# Altium PCB JacdacRp2040BrainEc30 124.PcbDoc (part 2 of 2)
Units mm, origin at the board's own origin, x right, y up, seen from the top; angles counter-clockwise.
Board outline 36.5 x 25 mm, 2 copper layers (Top Layer, Bottom Layer), stack 1.525 mm thick; 82 components, 68 nets, 347 pads, 97 vias.
Unrouted connection lines stored in the file: 41.
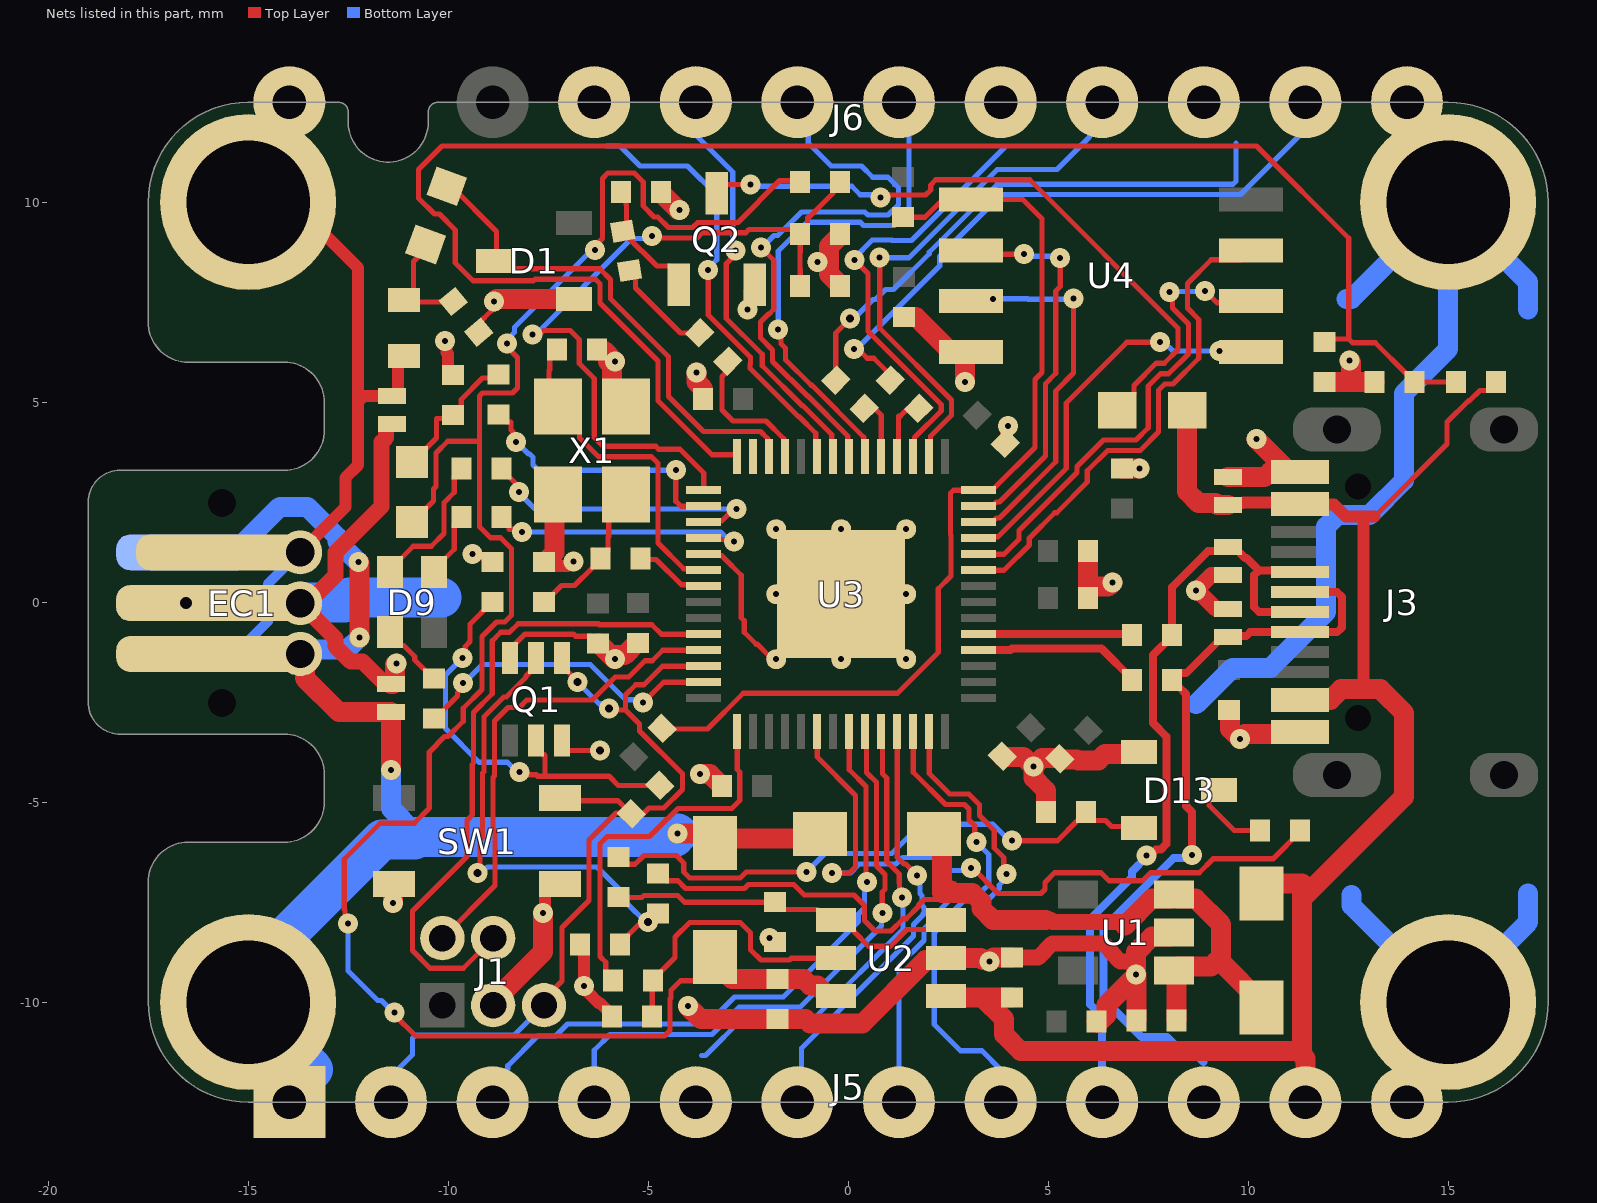
[diagram p2: the nets of this part, all layers, seen from the top]

## Via types
v1: diameter 0.5, hole 0.15, Top Layer to Bottom Layer, tented both sides, 89 vias
v2: diameter 0.5, hole 0.2, Top Layer to Bottom Layer, tented both sides, 7 vias
v3: diameter 0.6, hole 0.3, Top Layer to Bottom Layer, tented both sides, 1 vias

## Nets (pads, with @x,y where several pads share a name; then routed paths per layer and width w, separated by ;. In a path a pad name is that pad's centre, name@x,y a point inside that pad or via, vN(x,y) a via of type N, cw(c..) or ccw(c..) an arc to the next point about the centre after c; other vN are vias at no path point) (continued)
GND: C1.1 C2.1 C3.1 C4.1 C5.1 C6.1 C7.1 C8.1 C9.1 C10.1 C11.1 C12.1 C13.1 C14.1 C15.1 C19.1 C20.2 C21.2 C22.1 C23.1 C24.1 C27.1 D1.1 D2.2 D3.2 D4.2 D5.2 D6.2 D13.1 EC1.2 J1.3 J3.A1 J3.A12 J3.B1 J3.B12 J5.23 J6.24 MH2.1 MH4.1 Q1.3 Q1.6 Q2.2 R6.1 R14.2 R15.2 R17.2 R22.1 R23.1 R27.1 R30.2 SW1.3 SW1.4 U1.2 U2.2 U3.19 U3.57 U4.4 X1.2 X1.4 | length 112.1
  Top Layer w0.13: C1.1@-9.232,6.752 -9.232,6.979 -8.926,7.285 -8.926,7.344 -8.855,7.414 v1(-8.855,7.514) ; Q1.6@-8.45,-1.393 -8.315,-1.258 -8.315,-1.033 -8.081,-0.798 -6.869,-0.798 -6.815,-0.853 -6.435,-0.853 C8.1@-6.25,-1.038 ; Q1.3@-7.15,-3.453 -7.15,-3.567 -7.007,-3.71 v2(-6.212,-3.71) ; U3.19@-3.612,1.2 -3.577,1.165 -3.164,1.165 -3.094,1.095 -2.675,0.676 -2.675,-0.387 -2.6,-0.462 -2.6,-0.751 -2.298,-1.053 -2.271,-1.053 -1.898,-1.425 U3.57@-1.8,-1.425
  Top Layer w0.2: v1(-9.396,1.2) -9.339,1.143 -9.166,1.143 -9.165,1.141 -9.04,1.141 C24.1@-8.89,0.991
  Top Layer w0.3: v1(-10.084,6.537) -10.046,6.498 -10.046,6.241 -10.009,6.204 -10.009,5.775 -9.909,5.675 R17.2@-9.884,5.675 ; v1(-7.626,-7.775) -7.626,-7.721 -7.575,-7.67 -7.575,-7.226 -7.4,-7.051 SW1.4@-7.2,-7.051 ; C21.2@-7.605,1.005 -7.505,0.905 -7.186,0.905 -7.18,0.899 -7.012,0.899 -6.894,1.017 v1(-6.869,1.017) ; C27.1@-6.708,-8.556 -6.608,-8.656 -6.608,-8.892 -6.6,-8.9 v1(-6.6,-9.6) ; -6.244,-10.016 -6.212,-10.016 -5.9,-10.328 R6.1@-5.9,-10.353 ; -6.213,-10.016 -6.245,-10.016 -6.409,-9.852 ; v1(-2.514,7.314) -2.514,7.368 -2.466,7.417 -2.466,7.808 Q2.2@-2.336,7.937 ; v1(-1.971,-8.39) -1.861,-8.5 C5.1@-1.827,-8.5 ; C12.1@3.929,3.971 3.947,3.989 3.947,4.293 4,4.346 v1(4,4.4) ; v1(-6.6,-9.6) -6.6,-9.654 v1@-6.562,-9.692 ; v1(-6.6,-9.6) -6.562,-9.638 v1@-6.562,-9.692 ; v1@-6.562,-9.692 -6.562,-9.698 -6.409,-9.852 ; v1@-6.562,-9.692 -6.409,-9.846 -6.409,-9.852
  Top Layer w0.4: D3.2@-11.425,-2.05 -11.575,-2.05 -12.141,-1.484 -12.436,-1.484 -12.82,-1.1 -12.82,-0.903 EC1.2@-13.7,-0.023 -13.511,-0.023 -12.82,0.667 -12.82,1.24 -11.665,2.396 -11.665,4.002 -11.55,4.117 -11.55,4.45 D2.2@-11.4,4.45 ; C4.1@4.09,-8.885 4.747,-8.885 5.105,-8.528 6.378,-8.528 6.571,-8.721 6.571,-8.749 6.806,-8.984 7.153,-8.984 7.191,-9.021 ; D5.2@9.5,-0.175 9.201,-0.175 8.727,0.299 v1(8.7,0.299) 9.076,0.675 D4.2@9.5,0.675
  Top Layer w0.5: D3.2@-11.425,-2.05 -11.375,-2.05 -11.325,-2 -11.325,-1.56 v1(-11.295,-1.53) ; v1(-11.378,-7.519) -11.378,-7.079 SW1.3@-11.35,-7.051 ; J1.3@-8.875,-10.075 -8.875,-9.988 -7.626,-8.739 v1(-7.626,-7.775) ; v1(-8.855,7.514) -8.79,7.58 D1.1@-6.85,7.58 ; C21.2@-7.605,1.005 -7.58,1.005 -7.343,1.242 -7.343,2.598 X1.4@-7.25,2.692 ; C20.2@-6.279,6.322 -6.279,6.297 -6.114,6.297 v1(-5.833,6.016) ; C8.1@-6.25,-1.038 -6.225,-1.038 -5.837,-1.425 v1(-5.833,-1.425) ; v1@-6.005,6.024 -5.9,5.919 -5.9,5.242 X1.2@-5.55,4.892 ; v1@-5.833,-1.324 -5.588,-1.324 -5.28,-1.016 C15.1@-5.255,-1.016 ; R30.2@-4.681,10.259 -4.681,10.234 -4.256,9.809 v1(-4.22,9.809) ; v1(-4.01,-10.097) -3.686,-10.421 -1.066,-10.421 -0.957,-10.53 0.357,-10.53 1.937,-8.95 2.4,-8.95 U2.2@2.45,-8.9 3.32,-8.9 v1@3.365,-8.945 ; v1(-3.79,5.748) -3.79,5.502 -3.625,5.337 C11.1@-3.625,5.075 ; v1(-3.7,-4.3) -3.454,-4.3 -3.156,-4.598 C9.1@-3.156,-4.623 ; v1(-0.763,8.506) -0.477,8.506 ; C22.1@-0.2,7.9 -0.2,7.925 -0.477,8.202 -0.477,8.898 -0.2,9.175 R22.1@-0.2,9.2 ; U3.57@-0.175,0.2 U3.57@1.45,0.2 ; C19.1@1.392,7.131 1.694,7.131 2.52,6.305 3.02,6.305 U4.4@3.07,6.255 2.97,6.255 2.92,6.205 v1(2.92,5.51) ; v1(3.529,-8.987) 3.631,-8.885 C4.1@4.09,-8.885 ; C7.1@3.856,-3.846 3.874,-3.864 4.384,-3.864 v1(4.631,-4.111) ; R27.1@4.944,-5.251 4.944,-4.705 4.631,-4.392 v1(4.631,-4.111) ; C13.1@5.17,-3.895 4.846,-3.895 v1(4.631,-4.111) ; C13.1@5.288,-3.913 5.305,-3.93 5.717,-3.93 5.743,-3.957 6.255,-3.957 6.413,-3.798 7.221,-3.798 D13.1@7.271,-3.748 ; C10.1@6,0.1 6,0.387 ; C14.1@6,1.275 6,0.387 ; C3.1@6.213,-10.482 6.25,-10.52 6.453,-10.316 6.453,-10.075 7.199,-9.329 v1(7.199,-9.308) ; v1(6.601,0.489) 6.5,0.387 6,0.387 ; R14.2@6.842,3.349 v1(7.284,3.349) ; C2.1@7.203,-10.457 7.203,-9.311 v1(7.199,-9.308) ; U1.2@8.141,-8.258 8.041,-8.358 7.592,-8.358 7.199,-8.75 v1(7.199,-9.308) ; D6.2@9.5,3.125 10.413,3.125 10.557,3.269 J3.A12@11.014,3.269 ; R15.2@9.525,-2.696 9.55,-2.696 9.55,-3.17 v1(9.793,-3.414) 9.907,-3.3 J3.A1@11.692,-3.3 ; v1(10.205,4.078) J3.A12@11.014,3.269 ; J3.A12@11.358,3.269 J3.A12@11.014,3.269 ; C23.1@11.904,5.507 12.254,5.507 R23.1@13.154,5.507 ; v1(12.535,6.042) 12.575,6.002 12.575,5.522
  Bottom Layer w0.5: 8.7,-2.55 9.61,-1.64 10.556,-1.64 11.95,-0.246 11.95,1.892 12.243,2.185 13.037,2.185 13.894,3.041 13.894,5.222 15,6.328 15,8.508 MH2.1@14.254,9.254 ; 12.457,7.585 12.585,7.585 MH2.1@14.254,9.254 ; 12.585,-7.323 12.585,-7.585 MH4.1@15,-10 ; MH4.1@15,-8.978 MH4.1@15,-10 ; 17,-7.281 17,-8 MH4.1@15,-10 ; 17,7.323 17,8 MH2.1@15,10 MH2.1@14.254,9.254
  Bottom Layer w1: EC1.2@-13.7,-0.023 -13.681,-0.004 -12.589,-0.004 -12.464,0.12 -10.172,0.12
  other v3: -16.55,-0.023
GPIO0: J6.18 U3.2 | length 13.1
  Top Layer w0.13: v1(0.787,8.613) 0.787,6.85 2.585,5.053 2.585,4.676 2.06,4.151 2.06,3.672 U3.2@2.025,3.637
  Bottom Layer w0.13: v1(0.787,8.613) 1.518,8.613 3.725,10.82 5.221,10.82 6.03,11.629 6.03,11.729 6.071,11.769 6.171,11.769 J6.18@6.171,12.123
GPIO1: J6.16 U3.3 | length 11.1
  Top Layer w0.13: v1(0.153,8.559) 0.495,8.218 0.495,6.775 2.325,4.945 2.325,4.783 1.66,4.119 1.66,3.672 U3.3@1.625,3.637
  Bottom Layer w0.13: v1(0.153,8.559) 0.153,8.609 0.603,9.058 1.086,9.058 1.099,9.045 1.582,9.045 3.918,11.38
GPIO2: J6.22 R25.2 | length 14.9
  Top Layer w0.13: v1(0.147,6.328) 0.247,6.328 0.475,6.1 0.64,6.1 1.051,5.689 R25.2@1.051,5.554
  Bottom Layer w0.13: v1(0.147,6.328) 0.209,6.328 2.286,8.405 2.286,8.642 3.834,10.19 9.804,10.19 11.294,11.68 J6.22@11.43,11.68
GPIO3: J6.20 R26.2 | length 13.7
  Top Layer w0.13: R26.2@-0.31,5.554 -0.293,5.571 -0.293,5.833 -0.31,5.851 -0.31,6.731 v2(0.05,7.092)
  Bottom Layer w0.13: v2(0.05,7.092) 0.143,7.092 0.617,7.566 0.68,7.566 0.935,7.82 1.133,7.82 2.026,8.713 2.026,8.75 3.726,10.45 9.62,10.45 9.696,10.526 9.696,11.472
GPIO4: J6.14 U3.6 | length 12.4
  Top Layer w0.13: v1(-1.75,6.82) -1.679,6.749 -1.679,6.463 -1.565,6.349 -1.565,6.064 -0.925,5.424 -0.908,5.424 0.39,4.126 0.39,3.672 U3.6@0.425,3.637
  Bottom Layer w0.13: v1@-1.749,6.821 -1.749,8.782 -1.034,9.497 0.306,9.497 0.386,9.417 1.149,9.417 1.517,9.786 1.517,11.729 1.496,11.75 J6.14@1.27,11.75 J6.14@1.27,12.1
GPIO5: J6.12 U3.7 | length 14.4
  Top Layer w0.13: v1(-2.184,8.872) v1(-2.184,8.872) -1.862,8.551 -1.862,7.323 -1.976,7.209 -1.99,7.209 -2.195,7.004 -2.195,6.611 -1.889,6.306 -1.889,6.021 -1.033,5.164 -1.016,5.164 -0.01,4.159 -0.01,3.672 U3.7@0.025,3.637
  Bottom Layer w0.13: v1(-2.184,8.872) -2.148,8.872 -1.852,9.169 -1.76,9.169 -1.598,9.331 -1.172,9.757 0.413,9.757 0.493,9.677 0.994,9.677 1.255,9.938 1.255,10.363 0.994,10.624 0.614,10.624 0.333,10.905 -0.425,10.905 -1.001,11.481 -1.001,11.729 -1.023,11.75 J6.12@-1.27,11.75 J6.12@-1.27,12.082
GPIO6: J6.10 U3.8 | length 9.7
  Top Layer w0.13: v1(-2.822,8.79) -2.822,8.69 -3.052,8.46 -3.052,7.101 -2.149,6.198 -2.149,5.913 -1.14,4.904 -1.123,4.904 -0.41,4.191 -0.41,3.672 U3.8@-0.375,3.637
  Bottom Layer w0.13: J6.10@-3.81,11.68 -2.885,10.755 -2.885,8.853 v1(-2.822,8.79)
GPIO7: J6.8 U3.9 | length 11
  Top Layer w0.13: v1(-3.5,8.3) -3.5,7.181 -3.312,6.993 -2.444,6.126 -2.444,5.964 -2.452,5.956 -2.452,5.848 -1.248,4.644 -1.231,4.644 -0.81,4.223 -0.81,3.672 U3.9@-0.775,3.637
  Bottom Layer w0.13: -6.033,11.405 -5.708,11.405 -5.208,10.905 -4.015,10.905 -3.289,10.178 -3.289,8.561 -3.5,8.35 v1(-3.5,8.3)
GPIO10: U3.13
GPIO24: J5.5 U3.36 | length 15.6
  Top Layer w0.13: U3.36@0.025,-3.238 0.025,-4.187 0.445,-4.607 0.445,-6.96 v1(0.476,-6.991)
  Bottom Layer w0.13: J5.5@-8.707,-11.787 -8.629,-11.787 -8.511,-11.669 -8.511,-11.591 -7.765,-10.845 -7.314,-10.845 -7.014,-10.545 -3.517,-10.545 -2.84,-9.868 -1.626,-9.868 0.261,-7.981 0.261,-7.791 0.407,-7.645 0.407,-7.06 v1(0.476,-6.991)
GPIO25: J5.7 U3.37 | length 14
  Top Layer w0.13: U3.37@0.425,-3.238 0.46,-3.273 0.46,-4.254 0.705,-4.499 0.705,-6.591 0.921,-6.807 0.921,-7.175 0.852,-7.244 v1(0.852,-7.772)
  Bottom Layer w0.13: J5.7@-6.35,-11.68 -6.35,-11.2 -5.955,-10.805 -3.409,-10.805 -2.732,-10.128 -1.206,-10.128 0.83,-8.091 0.83,-7.793 v1(0.852,-7.772)
GPIO26: J5.9 U3.38 | length 11.5
  Top Layer w0.13: U3.38@0.825,-3.238 0.86,-3.273 0.86,-4.286 0.965,-4.391 0.965,-6.483 1.275,-6.793 1.275,-7.013 1.279,-7.017 1.279,-7.314 v1(1.35,-7.385)
  Bottom Layer w0.13: -3.66,-11.332 -3.569,-11.332 -2.625,-10.388 -2.549,-10.388 ; -2.548,-10.388 -0.837,-10.388 1.371,-8.18 1.371,-7.406 v1(1.35,-7.385)
GPIO27: J5.11 U3.39 | length 10
  Top Layer w0.13: U3.39@1.225,-3.238 1.225,-6.376 1.394,-6.545 1.436,-6.545 v1(1.72,-6.829)
  Bottom Layer w0.13: J5.11@-1.17,-11.68 -1.17,-11.149 1.631,-8.348 1.631,-8.055 1.878,-7.809 1.878,-7.779 1.896,-7.762 1.896,-7.636 1.844,-7.584 1.844,-7.339 1.791,-7.285 1.791,-6.899 v1(1.72,-6.829)
GPIO28: J5.13 U3.40 | length 10.8
  Top Layer w0.13: U3.40@1.625,-3.238 1.625,-4.251 2.429,-5.055 2.906,-5.055 3.02,-5.169 3.02,-5.443 3.165,-5.587 3.165,-5.956 v1(3.205,-5.997)
  Bottom Layer w0.13: J5.13@1.27,-11.68 1.27,-9.077 1.891,-8.456 1.891,-8.163 2.34,-7.715 2.34,-7.644 2.774,-7.209 3.358,-7.209 3.516,-7.052 3.516,-6.315 3.205,-6.005 v1(3.205,-5.997)
GPIO29: J5.15 U3.41 | length 11.6
  Top Layer w0.13: U3.41@2.025,-3.238 2.025,-4.283 2.537,-4.795 3.013,-4.795 3.28,-5.062 3.28,-5.335 3.65,-5.705 3.65,-6.145 3.89,-6.385 3.89,-6.717 v1(3.961,-6.788)
  Bottom Layer w0.13: J5.15@3.81,-11.68 3.344,-11.214 2.81,-11.214 2.151,-10.555 2.151,-8.271 2.617,-7.805 2.617,-7.734 2.882,-7.469 3.466,-7.469 3.776,-7.16 3.776,-7.073 3.961,-6.888 v1(3.961,-6.788)
I\L\I\M\_\H\I\: R5.1 U3.29 | length 9.2
  Top Layer w0.13: R5.1@-5.879,-9.461 -6.064,-9.276 -6.064,-9 -6.208,-8.856 -6.208,-6.037 -6.025,-5.855 -4.966,-5.855 -4.519,-5.408 -4.505,-5.408 -4.252,-5.155 -2.91,-5.155 -2.711,-4.956 -2.711,-4.244 -2.775,-4.18 U3.29@-2.775,-3.238
ILIM_DET: C22.2 R20.1 R22.2 U3.15 | length 18.4
  Top Layer w0.13: v1(-7.897,6.689) -7.827,6.76 -7.642,6.76 -7.609,6.792 -6.948,6.792 -6.724,6.568 -6.724,5.967 -6.35,5.593 -6.35,4.116 -6.132,3.897 -4.812,3.897 -4.74,3.825 -4.206,3.825 -3.612,3.232 U3.15@-3.612,2.8 ; v1(-4.909,9.152) -4.861,9.104 -3.783,9.104 -3.653,9.235 -2.56,9.235 -2.478,9.317 -1.317,9.317 R22.2@-1.2,9.2 ; C22.2@-1.2,7.9 -1.2,8.314 -1.208,8.321 -1.208,8.752 -1.2,8.76 R22.2@-1.2,9.2 ; R20.1@-0.2,10.5 -0.385,10.315 -0.385,10.215 -0.99,9.61 -1.015,9.61 -1.015,9.385 R22.2@-1.2,9.2
  Bottom Layer w0.13: v1(-7.897,6.689) -7.822,6.689 -5.419,9.092 -4.969,9.092 v1(-4.909,9.152)
ILIM_EN: C28.2 U3.34 | length 17.7
  Top Layer w0.13: U3.34@-0.775,-3.238 -0.775,-3.87 0.185,-4.83 0.185,-6.616 0.035,-6.766 v1@-0.409,-6.766 ; v1(3.071,-6.64) 3.107,-6.64 3.748,-7.281 4.817,-7.281 4.918,-7.18 4.918,-7.005 5.161,-6.763 6.322,-6.763 6.523,-6.963 7.36,-6.963 7.561,-6.763 7.885,-6.763 8.776,-6.763 9.123,-6.416 10.617,-6.416 11.3,-5.732 C28.2@11.3,-5.707
  Bottom Layer w0.13: v1(-0.41,-6.767) 0.054,-6.767 0.276,-6.544 1.194,-6.544 1.355,-6.384 2.236,-6.384 2.561,-6.708 3.002,-6.708 v1(3.071,-6.64)
ILIM_OUT: C6.2 D8.2 D10.2 R20.2 U2.6 | length 49.1
  Top Layer w0.13: v1(-12.509,-8.028) -12.58,-7.958 -12.58,-7.696 -12.6,-7.676 -12.6,-6.425 -11.701,-5.526 -10.85,-5.526 -10.472,-5.148 -10.472,-3.743 -10.089,-3.36 -10.008,-3.36 -9.625,-2.977 -9.625,-2.65 -9.158,-2.182 -9.158,-0.858 -8.793,-0.493 -8.587,-0.493 -8.42,-0.326 -8.42,1.336 -8.696,1.611 -8.943,1.611 -9.219,1.887 -9.219,4.022 ; v1(-11.34,-10.259) -11.34,-10.316 -10.811,-10.845 -4.591,-10.845 -4.455,-10.709 -4.455,-10.282 -4.455,-9.913 -4.434,-9.891 -4.434,-9.701 -4.194,-9.462 -3.815,-9.462 -3.33,-8.977 D10.2@-3.33,-8.875 ; D8.2@-10.9,2 -10.369,2.531 -10.369,2.829 -10.305,2.893 -10.305,3.727 -10.01,4.022 -9.219,4.022 ; v1(-8.527,6.464) -8.527,6.376 -8.27,6.119 -8.27,5.357 -8.394,5.233 -9.143,5.233 -9.219,5.157 -9.219,4.022 ; v1(-6.334,8.806) -6.334,8.906 -6.146,9.094 -6.146,10.594 -6.011,10.729 -5.35,10.729 -5.126,10.505 -5.126,9.903 -4.856,9.634 -4.761,9.634 -4.492,9.364 -3.891,9.364 -3.761,9.495 -2.759,9.495 -1.714,10.54 -1.24,10.54 R20.2@-1.2,10.5
  Top Layer w0.5: D10.2@-3.33,-8.875 -3.33,-9 -2.909,-9.421 C6.2@-1.769,-9.421 -1.116,-9.421 -0.957,-9.58 -0.77,-9.58 -0.55,-9.8 -0.35,-9.8 U2.6@-0.3,-9.85
  Bottom Layer w0.13: v1(-12.509,-8.028) -12.509,-9.214 -11.763,-9.96 -11.671,-9.96 -11.372,-10.259 v1(-11.34,-10.259) ; v1(-8.527,6.464) -8.527,6.564 -8.342,6.749 -8.342,6.873 -6.41,8.806 v1(-6.334,8.806)
JD_DATA: D2.1 EC1.1 FB1.1 J6.2 MH1.1 | length 20.6
  Top Layer w0.3: EC1.1@-15.65,1.247 EC1.1@-13.7,1.247 -12.57,2.376 -12.57,3.11 -12.25,3.43 -12.25,4.325 ; MH1.1@-15,10 -13.15,10 -13.15,9.256 -12.25,8.356 -12.25,5.15 -12.25,4.325 ; D2.1@-11.4,5.15 D2.1@-11.35,5.15 ; FB1.1@-11.1,6.158 -11.25,6.008 -11.25,5.2 -11.3,5.15 D2.1@-11.35,5.15 ; -12.25,4.325 -12.25,5.016 -12.116,5.15 D2.1@-11.35,5.15
  Bottom Layer w0.25: EC1.1@-16.325,-1.27 -15.3,-1.27 -14.511,-0.481 -14.511,0.459 EC1.1@-13.7,1.27
JD_DATA_MCU: D1.3 R1.2 U3.12 | length 12.5
  Top Layer w0.13: R1.2@-10.035,10.398 -9.92,10.398 -8.79,9.268 -8.79,8.59 D1.3@-8.85,8.53 -8.655,8.335 -6.212,8.335 -5.945,8.069 -5.945,7.585 -4.495,6.135 -4.495,5.144 -3.621,4.27 -2.194,4.27 -2.01,4.086 -2.01,3.672 U3.12@-1.975,3.637
JD_PWR: D3.1 D10.1 D12.2 EC1.3 J5.1 MH3.1 | length 34.5
  Top Layer w0.5: EC1.3@-13.625,-1.27 -13.7,-1.27 -13.585,-1.385 -13.585,-1.898 -12.733,-2.75 D3.1@-11.425,-2.75 v1(-11.425,-4.196) ; v1(-12.24,1) -12.22,0.98 v1(-12.22,-0.88) ; v1(-4.262,-5.781) -4.256,-5.787 -3.568,-5.787 D10.1@-3.33,-6.025 ; D10.1@-3.3,-5.913 -0.812,-5.913 D12.2@-0.7,-5.8
  Bottom Layer w0.5: EC1.3@-16.6,1.247 -15.35,1.247 -14.212,2.385 -13.523,2.385 -12.77,1.632 -12.77,1.52 -12.25,1 v1(-12.24,1) ; EC1.3@-13.7,-1.293 -13.585,-1.179 -12.519,-1.179 v1(-12.22,-0.88) ; v1(-11.425,-4.196) -11.425,-5.163 -10.842,-5.746
  Bottom Layer w1: J5.1@-13.375,-11.68 -13.638,-11.418 -15,-10.055 MH3.1@-15,-10 -15,-9.275 -11.654,-5.928 -10.842,-5.928 -10.78,-5.866 -4.347,-5.866 v1(-4.262,-5.781)
JD_RGB_B: R11.2 U3.18 | length 6.9
  Top Layer w0.13: R11.2@-8.664,2.133 -8.479,1.948 -8.479,1.823 -8.214,1.823 v1(-8.149,1.758) ; U3.18@-3.612,1.6 -3.577,1.565 -2.903,1.565 v1(-2.86,1.522)
  Bottom Layer w0.13: v1(-8.149,1.758) -3.195,1.758 -2.96,1.522 v1(-2.86,1.522)
JD_RGB_G: R12.2 U3.17 | length 7.4
  Top Layer w0.13: R12.2@-8.664,3.345 -8.664,3.32 -8.301,2.957 -8.301,2.761 v1(-8.23,2.761) ; U3.17@-3.612,2 -3.275,2 -3.24,2.035 -3.159,2.035 -2.865,2.329 v1(-2.795,2.329)
  Bottom Layer w0.13: v1(-8.23,2.761) -8.23,2.728 -7.831,2.329 v1(-2.795,2.329)
JD_RGB_R: R13.2 U3.27 | length 8
  Top Layer w0.13: R13.2@-10.35,-2.901 -10.325,-2.901 -9.766,-2.342 -9.766,-2.261 -9.626,-2.121 v1(-9.626,-2.021) ; v1(-5.126,-2.507) -4.618,-2 U3.27@-3.612,-2
  Bottom Layer w0.13: v1(-9.626,-2.021) -9.609,-2.021 -9.143,-1.555 -6.45,-1.555 -5.568,-2.436 -5.196,-2.436 v1(-5.126,-2.507)
MCU_QSPI_SCLK: U3.52 U4.6 | length 12.1
  Top Layer w0.13: U3.52@3.263,1.2 3.895,1.2 4.268,1.573 4.268,1.794 5.717,3.243 5.717,3.392 6.379,4.054 7.193,4.054 7.499,4.36 7.499,5.406 7.805,5.712 8.009,5.712 8.505,6.208 8.505,6.959 8.106,7.358 8.106,7.686 v1(8.035,7.756) ; v1(8.925,7.781) 9.22,7.486 10.032,7.486 U4.6@10.07,7.525
  Bottom Layer w0.13: v1(8.035,7.756) 8.047,7.769 8.913,7.769 v1(8.925,7.781)
MCU_QSPI_SD0: U3.53 U4.5 | length 9.9
  Top Layer w0.13: U3.53@3.263,1.6 3.298,1.635 3.742,1.635 5.449,3.343 5.449,4.984 6.965,6.5 v1(7.8,6.5) ; v1(9.281,6.28) 9.306,6.255 U4.5@10.07,6.255
  Bottom Layer w0.13: v1(7.8,6.5) 7.9,6.5 8.12,6.28 v1(9.281,6.28)
MCU_QSPI_SD1: U3.55 U4.2 | length 10.8
  Top Layer w0.13: U4.2@3.07,8.795 3.37,8.795 3.465,8.7 v1@4.262,8.7 ; U3.55@3.263,2.4 3.298,2.435 3.635,2.435 3.705,2.505 3.781,2.505 4.929,3.654 4.929,5.462 5.189,5.722 5.189,7.781 5.3,7.892 v1(5.3,8.6) ; v1@4.365,8.597 v1@4.262,8.7 ; v1@4.262,8.7 v1(4.4,8.7) ; v1@4.262,8.7 v1(4.4,8.7) ; v1@4.262,8.7 v1(4.4,8.7) ; v1@4.262,8.7 v1(4.4,8.7) ; v1@4.262,8.7 v1(4.4,8.7) ; v1@4.262,8.7 v1(4.4,8.7) ; v1@4.262,8.7 v1(4.4,8.7) ; v1@4.262,8.7 v1(4.4,8.7) ; v1@4.262,8.7 v1(4.4,8.7)
  Bottom Layer w0.13: v1(4.4,8.7) 4.452,8.648 4.453,8.65 5.25,8.65 v1(5.3,8.6)
MCU_QSPI_SD2: U3.54 U4.3 | length 8.9
  Top Layer w0.13: U3.54@3.263,2 3.6,2 3.705,2.105 3.781,2.105 5.189,3.514 5.189,5.283 5.634,5.727 v1(5.634,7.597)
  Bottom Layer w0.13: v1(3.62,7.586) 4.484,7.586 4.497,7.573 5.611,7.573 v1(5.634,7.597)
MCU_QSPI_SD3: U3.51 U4.7 | length 12.5
  Top Layer w0.13: U3.51@3.263,0.8 3.895,0.8 4.528,1.433 4.528,1.604 5.161,2.237 5.211,2.237 5.977,3.003 5.977,3.285 6.486,3.794 7.301,3.794 7.759,4.252 7.759,5.299 7.913,5.452 8.117,5.452 8.765,6.1 8.765,7.067 8.48,7.352 8.48,7.965 9.074,8.56 9.835,8.56 U4.7@10.07,8.795
MCU_QSPI_SS: R7.2 R8.1 U3.56 U4.1 | length 24
  Top Layer w0.13: R8.1@-4.652,-3.153 -4.634,-3.171 -3.521,-3.171 -2.626,-2.275 1.229,-2.275 2.25,-1.254 2.25,0.338 2.57,0.658 2.57,1.683 2.554,1.699 2.554,2.724 2.63,2.8 U3.56@3.263,2.8 3.298,2.835 3.635,2.835 4.669,3.869 4.669,5.57 4.845,5.746 4.845,9.585 4.365,10.065 3.345,10.065 U4.1@3.07,10.065 2.987,9.981 2.276,9.981 1.92,9.625 R7.2@1.375,9.625
MCU_USB_D_N: R4.1 U3.46 | length 4.2
  Top Layer w0.2: U3.46@3.263,-1.2 4.058,-1.2 4.1,-1.158 6.333,-1.158 7.1,-1.925 R4.1@7.1,-1.95
MCU_USB_D_P: R3.1 U3.47 | length 3.8
  Top Layer w0.2: U3.47@3.263,-0.8 7.082,-0.8 R3.1@7.1,-0.818
NetC1_2: C1.2 FB1.2 R1.1 | length 2.9
  Top Layer w0.13: R1.1@-10.565,8.942 -10.565,8.817 -10.865,8.517 -10.865,7.793 FB1.2@-11.1,7.558 -11.044,7.502 -9.994,7.502 -9.978,7.518 C1.2@-9.875,7.518
NetC5_2: C5.2 R2.2 U2.3 U2.4 | length 9
  Top Layer w0.13: R2.2@-5.738,-7.368 -5.723,-7.383 -5.16,-7.383 -5.108,-7.331 -4.26,-7.331 -4.091,-7.5 C5.2@-1.827,-7.5 -1.642,-7.685 -0.765,-7.685 -0.5,-7.95 -0.1,-7.95 0.135,-8.185 0.135,-8.223 0.511,-8.599 1.056,-8.599 1.47,-8.185 2.215,-8.185 U2.3@2.45,-7.95
NetC21_1: C21.1 R9.1 X1.1 | length 3.9
  Top Layer w0.13: C21.1@-7.605,0.005 -7.58,0.005 -7.169,0.416 -6.841,0.416 R9.1@-6.424,0.833 ; R9.1@-6.424,0.834 -6.188,1.07 R9.1@-6.188,1.095 ; R9.1@-6.373,1.305 -6.348,1.28 -6.003,1.28 -6.003,1.615 -5.988,1.63 -5.988,1.953 -5.985,1.957 -5.985,2.257 X1.1@-5.55,2.692
NetC24_2: C24.2 Q1.2 R24.2 | length 10.6
  Top Layer w0.13: v1(-9.646,-1.391) -9.575,-1.32 -9.575,-1.104 -9.455,-0.984 -9.455,-0.549 -8.915,-0.009 C24.2@-8.89,-0.009 ; v1(-8.22,-4.242) -8.149,-4.313 -7.799,-4.313 -7.764,-4.348 -7.58,-4.348 ; Q1.2@-7.8,-3.453 -7.8,-3.653 -7.7,-3.753 -7.64,-3.813 -7.6,-3.813 -7.58,-3.833 -7.58,-4.348 ; R24.2@-4.711,-4.581 -5.747,-4.581 -5.98,-4.348 -7.58,-4.348
  Bottom Layer w0.13: v1(-9.646,-1.391) -10.071,-1.816 -10.071,-3.16 -9.229,-4.002 -8.517,-4.002 -8.276,-4.242 v1(-8.22,-4.242)
NetC27_2: C27.2 Q1.5 R28.2 | length 12
  Top Layer w0.13: v2(-9.273,-6.772) -9.202,-6.701 -9.202,-5.935 -9.14,-5.873 -9.14,-4.273 -9.105,-4.237 -9.105,-2.865 -8.61,-2.37 -8.55,-2.37 -8.055,-1.874 -8.055,-1.848 -7.8,-1.593 Q1.5@-7.8,-1.393 ; C27.2@-5.708,-8.556 -5.708,-8.531 -5.248,-8.071 -5.071,-8.071 v2(-5,-8)
  Bottom Layer w0.13: v2(-9.273,-6.772) -9.173,-6.772 -9.017,-6.616 -6.281,-6.616 -5.53,-7.367 -5.53,-7.528 -5.059,-8 v2(-5,-8)
NetC28_1: C28.1 D13.3 | length 2
  Top Layer w0.13: D13.3@9.271,-4.698 9.256,-4.698 9.021,-4.933 9.021,-5.076 9.652,-5.707 C28.1@10.3,-5.707
NetC29_2: C29.2 R29.2 | length 2.5
  Top Layer w0.13: R29.2@-5.393,8.293 -5.316,8.216 -5.316,7.859 -4.19,6.734 -4.015,6.734 -3.997,6.717 -3.735,6.717 C29.2@-3.718,6.734
NetD8_1: D8.1 R16.2 R17.1 | length 3.5
  Top Layer w0.13: D8.1@-10.9,3.5 -10.294,4.106 -10.294,4.59 -9.969,4.59 R17.1@-9.884,4.675 -9.859,4.675 -9.674,4.86 -9.674,5.069 -9.14,5.603 -8.825,5.603 R16.2@-8.74,5.688
NetD9_2: D9.2 R13.1 | length 1.7
  Top Layer w0.13: D9.2@-11.45,-0.75 -11.45,-0.825 -11.19,-1.085 -11.11,-1.085 -10.835,-1.36 -10.835,-1.441 -10.375,-1.901 R13.1@-10.35,-1.901
NetD9_3: D9.3 R12.1 | length 3.6
  Top Layer w0.13: D9.3@-11.45,0.75 -11.45,0.825 -10.876,1.399 -10.425,1.399 -10.109,1.715 -10.109,2.488 -9.849,2.748 -9.849,3.16 R12.1@-9.664,3.345
NetD9_4: D9.4 R11.1 | length 1.7
  Top Layer w0.13: D9.4@-10.35,0.75 -10.35,0.825 -9.849,1.326 -9.849,1.948 R11.1@-9.664,2.133
NetD13_2: D13.2 R2.1 R27.2 | length 14.7
  Top Layer w0.13: R2.1@-5.738,-6.368 -5.553,-6.553 -5.342,-6.553 -5.336,-6.559 -5.108,-6.331 -4.296,-6.331 -4.111,-6.516 -4.111,-6.745 -3.961,-6.895 -2.699,-6.895 -2.55,-6.746 v1(-1.04,-6.746) ; v1(4.095,-5.961) 5.233,-5.961 5.734,-5.461 5.759,-5.461 5.881,-5.338 5.881,-5.313 6.029,-5.461 6.433,-5.461 6.582,-5.609 7.232,-5.609 D13.2@7.271,-5.648
  Bottom Layer w0.13: v1(-1.04,-6.746) -0.578,-6.284 1.087,-6.284 1.82,-5.552 3.622,-5.552 4.032,-5.961 v1(4.095,-5.961)
NetQ2_1: Q2.1 R29.1 R30.1 | length 3.1
  Top Layer w0.13: R30.1@-5.681,10.259 -5.555,10.134 -5.555,9.939 -5.54,9.924 -5.54,9.154 -5.167,8.782 -5.155,8.782 -4.779,8.405 -4.456,8.405 -4.241,8.191 Q2.1@-4.241,7.937
NetQ2_3: Q2.3 R18.1 | length 16.4
  Top Layer w0.13: Q2.3@-3.289,10.223 -3.289,10.229 -3.074,10.443 v1(-2.44,10.443) ; v1@0.811,10.123 0.811,10.18 1.935,10.18 2.062,10.307 2.062,10.432 2.189,10.56 4.537,10.56 8.245,6.851 8.245,6.316 7.902,5.972 7.698,5.972 7.141,5.416 7.141,5.192 6.749,4.8 R18.1@6.724,4.8
  Bottom Layer w0.13: v1(-2.44,10.443) -2.394,10.397 0.088,10.397 0.3,10.186 0.74,10.186 0.803,10.186 0.81,10.179 v1(0.81,10.122)
NetR5_2: R5.2 R6.2 U2.5 | length 7.1
  Top Layer w0.13: R6.2@-4.9,-10.353 -4.9,-9.482 R5.2@-4.879,-9.461 -4.879,-9.436 -4.327,-8.884 -4.327,-8.371 -3.961,-8.005 -2.699,-8.005 -2.441,-8.263 -2.441,-8.687 -2.182,-8.945 -1.471,-8.945 -1.426,-8.9 U2.5@-0.3,-8.9
NetR25_1: R25.1 U3.4 | length 1.6
  Top Layer w0.13: U3.4@1.225,3.637 1.26,3.672 1.26,4.648 1.298,4.648 1.497,4.846 R25.1@1.759,4.846
NetR26_1: R26.1 U3.5 | length 1.6
  Top Layer w0.13: R26.1@0.397,4.846 0.458,4.846 0.558,4.947 0.825,4.68 U3.5@0.825,3.637
PD_STATUS: R16.1 U3.16 | length 6.9
  Top Layer w0.13: R16.1@-8.74,4.688 -8.556,4.504 -8.431,4.504 -8.431,4.304 -8.371,4.244 -8.371,4.071 v1(-8.3,4) ; v1(-4.31,3.3) -4.31,2.527 -4.183,2.4 U3.16@-3.612,2.4
  Bottom Layer w0.13: v1(-8.3,4) -8.289,4 -7.992,3.703 -7.961,3.703 -7.883,3.625 -7.883,3.431 -7.752,3.3 v1(-4.31,3.3)
R\E\S\E\T\: J1.5 J5.3 Q1.4 R24.1 SW1.2 U3.26 | length 21.6
  Top Layer w0.13: J1.5@-7.605,-10.075 -7.605,-9.919 -7.153,-9.467 -7.153,-8.129 -6.48,-7.456 -6.48,-5.942 -5.809,-5.271 -5.453,-5.271 R24.1@-5.418,-5.306 ; SW1.2@-7.2,-4.901 -7.136,-4.965 -5.759,-4.965 R24.1@-5.418,-5.306 ; Q1.4@-7.15,-1.393 -7.15,-1.593 -6.769,-1.974 v2(-6.769,-2) ; v2(-5.98,-2.654) -5.942,-2.691 -5.571,-2.691 ; U3.26@-3.612,-1.6 -4.643,-1.6 -5.105,-2.062 -5.31,-2.062 -5.571,-2.323 -5.571,-2.691 ; -5.571,-2.691 -5.218,-3.044 -5.218,-3.216 -4.145,-4.289 -4.145,-4.68 -4.613,-5.148 -4.981,-5.148 -5.139,-5.306 R24.1@-5.418,-5.306
  Bottom Layer w0.13: J5.3@-11.33,-11.75 -10.895,-11.315 -10.895,-10.901 -10.819,-10.825 -8.355,-10.825 J1.5@-7.605,-10.075 ; v2(-6.769,-2) -6.233,-2.537 -6.197,-2.537 -6.08,-2.654 v2(-5.98,-2.654)
SWCLK: J1.4 U3.24 | length 16.7
  Top Layer w0.13: J1.4@-8.875,-8.399 -9.625,-9.149 -10.456,-9.149 -10.895,-8.709 -10.895,-7.721 -9.533,-6.359 -9.533,-5.453 -9.4,-5.321 -9.4,-4.057 -9.365,-4.021 -9.365,-2.757 -8.898,-2.29 -8.898,-0.966 -8.685,-0.753 -8.466,-0.753 -8.251,-0.538 -6.25,-0.538 -6.227,-0.561 -4.91,-0.561 -4.669,-0.802 U3.24@-3.612,-0.8 U3.24@-3.612,-0.8
SWDIO: J1.2 U3.25 | length 12
  Top Layer w0.13: J1.2@-10.145,-8.399 -8.828,-7.081 -8.828,-5.757 -8.88,-5.705 -8.88,-4.38 -8.845,-4.345 -8.845,-2.973 -8.502,-2.63 -8.22,-2.63 -8.035,-2.445 -6.401,-2.445 -5.826,-1.87 -5.485,-1.87 -5.077,-1.461 -4.9,-1.461 -4.638,-1.2 U3.25@-3.612,-1.2
USB_D_N: D5.1 J3.A7 J3.B7 J5.19 R4.2 | length 19.1
  Top Layer w0.2: v1(8.592,-6.318) 8.592,-5.244 8.441,-5.094 8.441,-2.291 8.275,-2.125 8.25,-2.125 8.1,-1.975 R4.2@8.1,-1.95 8.1,-1.925 8.25,-1.775 8.45,-1.775 9.375,-0.85 D5.1@9.425,-0.85 ; D5.1@9.5,-0.875 9.525,-0.85 9.95,-0.85 10.05,-0.75 J3.B7@11.294,-0.75 12.225,-0.75 12.342,-0.633 12.342,0.133 12.225,0.25 J3.A7@11.3,0.25
  Bottom Layer w0.2: v1(8.592,-6.318) 8.511,-6.318 8.435,-6.393 8.136,-6.393 6.379,-8.151 6.379,-9.918 7.33,-10.87 7.975,-10.87 8.325,-11.22 8.596,-11.22 8.876,-11.5
USB_D_P: D4.1 J3.A6 J3.B6 J5.17 R3.2 | length 19.5
  Top Layer w0.2: v1(7.463,-6.328) 7.544,-6.328 7.694,-6.178 7.817,-6.178 7.951,-6.044 7.951,-3.353 7.62,-3.022 7.62,-1.323 R3.2@8.1,-0.843 ; R3.2@8.1,-0.818 R3.2@8.1,-0.843 ; D4.1@9.45,1.375 9.65,1.375 9.92,1.105 9.955,1.105 10.267,0.793 ; D4.1@9.5,1.375 9.4,1.275 8.997,1.275 8.1,0.378 R3.2@8.1,-0.843 ; J3.A6@11.3,-0.25 10.275,-0.25 10.15,-0.125 10.15,0.675 10.267,0.793 ; J3.B6@11.3,0.75 11.257,0.793 10.267,0.793
  Bottom Layer w0.2: J5.17@6.35,-11.68 6.35,-10.356 6.049,-10.055 6.049,-7.918 7.091,-6.876 7.091,-6.735 7.463,-6.363 v1(7.463,-6.328)
USB_PBKA: C29.1 U3.11 | length 3.6
  Top Layer w0.13: C29.1@-3.011,6.027 -3.011,5.787 -3.155,5.642 -3.155,4.804 -2.881,4.53 -2.054,4.53 -1.61,4.086 -1.61,4.01 -1.575,3.975 U3.11@-1.575,3.637
VCOMB: C2.2 D11.1 D12.1 R28.1 U1.1 U1.3 | length 23.4
  Top Layer w0.13: R28.1@-4.752,-6.776 -4.567,-6.961 -4.263,-6.961 -4.068,-7.155 -2.591,-7.155 -2.491,-7.055 -1.36,-7.055 -1.099,-7.316 0.142,-7.316 0.405,-7.579 0.405,-7.954 0.668,-8.217 1.071,-8.217 1.374,-7.913 1.451,-7.913 1.755,-7.609 1.755,-7.569 1.892,-7.432 2.35,-7.432 ; 2.35,-7.27 2.35,-7.432 ; 2.399,-7.27 2.412,-7.27 2.412,-7.284 2.455,-7.327 2.35,-7.432
  Top Layer w0.4: 4.939,-7.948 5.065,-7.948 5.115,-7.998 6.829,-7.998 6.917,-8.086
  Top Layer w0.5: D12.1@2.15,-5.8 2.35,-6 2.35,-7.27 2.512,-7.27 2.574,-7.208 2.636,-7.27 3.107,-7.27 3.33,-7.493 3.33,-7.655 3.623,-7.948 4.939,-7.948 ; 6.917,-8.086 7.596,-7.408 8.041,-7.408 U1.3@8.141,-7.308 8.241,-7.408 8.679,-7.408 9.323,-8.052 9.323,-9.003 10.33,-10.011 D11.1@10.33,-10.136 ; C2.2@8.203,-10.457 8.203,-9.269 U1.1@8.141,-9.208 8.241,-9.108 9.072,-9.108 9.199,-8.981 9.323,-8.981
VUSB: C4.2 D6.1 D11.2 J3.A4 J3.A9 J3.B4 J3.B9 J5.21 R18.2 R21.2 U2.1 | length 41.7
  Top Layer w0.13: 13.157,2.139 14.973,3.955 14.973,4.505 15.505,5.037 15.531,5.037 15.791,5.297 16.015,5.297 16.2,5.482 R21.2@16.2,5.507
  Top Layer w0.3: D6.1@9.5,2.425 9.55,2.475 9.856,2.475 9.876,2.494 J3.A9@11.268,2.494 ; J3.A4@11.3,-2.6 11.3,-2.439 12.053,-2.439 ; J3.B4@11.3,2.3 11.3,2.391 11.353,2.444 12.14,2.444 12.446,2.139 12.879,2.139 ; J3.A9@11.3,2.6 11.373,2.6 J3.B4@11.373,2.3 ; 12.81,-2.174 12.879,-2.106 12.879,2.139 ; 13.157,2.139 12.879,2.139
  Top Layer w0.5: U2.1@2.45,-9.85 2.485,-9.885 3.365,-9.885 ; C4.2@4.09,-9.885 3.365,-9.885 ; R18.2@8.476,4.8 8.47,4.794 8.47,2.768 8.763,2.475 9.18,2.475 9.23,2.425 D6.1@9.5,2.425 ; D11.2@10.33,-7.286 10.58,-7.036 11.339,-7.036 11.339,-7.419 ; J5.21@11.43,-11.75 11.43,-11.401 11.339,-11.31 11.339,-11.101 ; 12.053,-2.439 12.318,-2.174 12.81,-2.174 13.303,-2.174 13.894,-2.765 13.894,-4.864 11.339,-7.419 ; 3.365,-9.885 3.897,-10.417 3.897,-10.808 4.309,-11.22 11.22,-11.22 11.339,-11.101 ; 11.339,-11.101 11.339,-7.419
VUSB_DET: C23.2 R21.1 R23.2 U3.14 | length 43.5
  Top Layer w0.13: U3.14@-2.775,3.637 -2.81,3.672 -2.81,3.686 -3.404,3.686 -4.755,5.037 -4.755,6.027 -6.205,7.477 -6.205,7.961 -6.319,8.075 -7.83,8.075 -7.87,8.035 -9.381,8.035 -9.823,8.477 -9.823,9.307 -10.218,9.702 -10.346,9.702 -10.742,10.098 -10.742,10.815 -10.152,11.405 10.205,11.405 12.511,9.099 12.511,6.582 ; C23.2@11.904,6.507 11.979,6.582 12.511,6.582 ; R21.1@15.2,5.507 R23.2@14.154,5.507 14.154,5.532 13.969,5.717 13.944,5.717 13.174,6.487 12.606,6.487 12.511,6.582
XIN: C20.1 U3.20 X1.3 | length 8.3
  Top Layer w0.13: C20.1@-7.279,6.322 -7.464,6.137 -7.464,5.802 -7.479,5.787 -7.479,5.12 X1.3@-7.25,4.892 -7.25,4.792 -6.715,4.257 -6.715,4.113 -6.61,4.008 -6.239,3.637 -4.92,3.637 -4.755,3.472 -4.755,1.48 -4.11,0.835 -3.647,0.835 U3.20@-3.612,0.8
XOUT: R9.2 U3.21 | length 1.9
  Top Layer w0.13: R9.2@-5.188,1.095 -5.188,1.07 -4.803,1.07 -4.168,0.435 -3.647,0.435 U3.21@-3.612,0.4
pads on no net: EC1. J3.1 J3.2 J3.3 J3.4 J3.A8 J3.B8 SW1.1 U1.4 U3.28 U3.30 U3.31 U3.32 U3.35

## Polygon pours and split planes (outlines as drawn)
no net on Bottom Assy "NONET_L-01_P-001" (hatched 45Degree grid 0.15 track 0.01): 17.5,-8.342 ccw(c15,-10) 13.342,-12.5 15,-12.5 ccw(c15,-10) 17.5,-10
no net on Bottom Assy "NONET_L-01_P-001" (hatched 45Degree grid 0.15 track 0.01): -17.5,8.342 ccw(c-15,10) -13.342,12.5 -15,12.5 ccw(c-15,10) -17.5,10
no net on Bottom Assy "NONET_L-01_P-001" (hatched 45Degree grid 0.15 track 0.01): -14.3,-2.868 -18.2,-2.868 cw(c-18.2,-2.468) -18.6,-2.468 -18.6,-2.466 -18.6,2.477 -18.6,2.474 cw(c-18.2,2.474) -18.2,2.874 -18.198,2.874 -14.3,2.874
no net on Bottom Assy "NONET_L-01_P-001" (hatched 45Degree grid 0.15 track 0.01): -17.5,-8.342 cw(c-15,-10) -13.342,-12.5 -15,-12.5 cw(c-15,-10) -17.5,-10
no net on Bottom Assy "NONET_L-01_P-001" (hatched 45Degree grid 0.15 track 0.01): 17.5,8.342 cw(c15,10) 13.342,12.5 15,12.5 cw(c15,10) 17.5,10
no net on Fabrication notes "NONET_L-01_P-001" (hatched 45Degree grid 0.6 track 0.01): -19.5,-6.5 -13,-6.5 -13,6.5 -19.5,6.5
no net on Fabrication notes "NONET_L-01_P-001" (hatched 45Degree grid 0.6 track 0.01): 15.378,14.165 15.378,11.465 15.378,11.453 -15.34,11.457 -15.34,14.142
no net on Fabrication notes "NONET_L-01_P-001" (hatched 45Degree grid 0.6 track 0.01): 15.341,-14.212 15.341,-11.512 15.341,-11.5 -15.377,-11.504 -15.377,-14.189
GND on Bottom Layer "NONET_L-01_P-001" (solid, remove dead copper, pour order 1): -17.5,-10 -17.5,-6.97 -17.5,-7 cw(c-16.5,-7) -16.5,-6 -14.1,-6 ccw(c-14.1,-5) -13.1,-5 -13.1,-4.3 ccw(c-14.1,-4.3) -14.1,-3.3 -18.2,-3.3 cw(c-18.2,-2.5) -19,-2.5 -19,2.5 cw(c-18.2,2.5) -18.2,3.3 -14.1,3.3 -14.098,3.3 ccw(c-14.098,4.3) -13.098,4.3 -13.1,4.3 -13.1,5 ccw(c-14.1,5) -14.1,6 -16.5,6 cw(c-16.5,7) -17.5,7 -17.5,6.97 -17.5,10 cw(c-15,10) -15,12.5 -12.75,12.5 cw(c-12.75,12.25) -12.5,12.25 -12.5,12 ccw(c-11.5,12) -10.5,12 -10.5,12.25 cw(c-10.25,12.25) -10.25,12.5 15,12.5 cw(c15,10) 17.5,10 17.5,-10 cw(c15,-10) 15,-12.5 -15,-12.5 cw(c-15,-10)
no net on Bottom Assy "NONET_L-01_P-001" (hatched 45Degree grid 0.3 track 0.01): -11.05,11 -11.046,11.109 ccw(c-11.5,12) -10.5,12 -10.5,12.25 cw(c-10.25,12.25) -10.25,12.5 15,12.5 cw(c15,10) 17.5,10 17.5,6.878 cw(c15,10) 11.127,11
no net on Bottom Assy "NONET_L-01_P-001" (hatched 45Degree grid 0.3 track 0.01): -17.5,-10 -17.5,-7.018 -17.5,-7 cw(c-16.5,-7) -16.5,-6 -14.1,-6 ccw(c-14.1,-5) -13.1,-5 -13.1,-4.3 ccw(c-14.1,-4.3) -14.1,-3.3 -18.2,-3.3 cw(c-18.2,-2.5) -19,-2.5 -19,2.5 cw(c-18.2,2.5) -18.2,3.3 -14.1,3.3 ccw(c-14.1,4.3) -13.1,4.3 -13.1,5 ccw(c-14.1,5) -14.1,6 -16.5,6 cw(c-16.5,7) -17.5,7 -17.5,7.003 -17.5,10 cw(c-15,10) -15,12.5 -12.75,12.5 cw(c-12.75,12.25) -12.5,12.25 -12.5,12 ccw(c-11.5,12) -11.5,11 -11.127,11 cw(c-15,10) -11.999,7.355 -12,7.355 -12,-7.355 cw(c-15,-10) -11.127,-11 11.126,-11 11.127,-11 cw(c15,-10) 17.5,-6.878 17.5,-10 cw(c15,-10) 15,-12.5 -12.729,-12.5 -15,-12.5 cw(c-15,-10)

## Other copper
Top Layer:
  text "Top Layer" at -16.049,26.25 h1.7
Bottom Layer:
  pour cut-out: -19,3.3 -13.7,3.3 -13.7,-3.3 -19,-3.3
  pour cut-out: 12.3,12.5 12.3,10.5 -12.3,10.5 -12.3,12.5
  pour cut-out: -12.3,-12.5 -12.3,-10.5 12.3,-10.5 12.3,-12.5
  text "Bottom Layer" at -16.05,24.75 h1.7

## Silkscreen, mask and mechanical layers (free items; w line width, h text height)
Top Overlay:
  text "Top Overlay" at -16.049,20.525 h1.7
  text "R" at -12.68,-6.574 h1.2
Bottom Overlay:
  text "Bottom Overlay" at -7.45,26.225 h1.7
  text "MSR" at 1.432,9.45 h1.1
  text "RP2040 brain" at 5.012,-8.782 h1.1
  text "'.ProjectCodenameID' V'.ProjectRevision'" at 3.247,-10.5 h1.1
Top Paste:
  text "Top Paste" at -7.449,24.818 h1.7
Bottom Paste:
  text "Bottom Paste" at -7.45,23.34 h1.7
Top Solder:
  text "Top Solder (resist)" at -7.449,22.018 h1.7
Bottom Solder:
  text "Bottom Solder (resist)" at -7.45,20.527 h1.7
Drill Guide:
  text "Drill Guide" at 5.975,22.015 h1.7
Dimension:
  text "Dimension" at 5.975,23.315 h1.7
Fabrication notes:
  lines w0.01: -19.5,-6.523 -13,-6.523 -12.99,6.5 ; -19.5,6.477 -13,6.477 ; -19.489,6.5 -19.488,-6.5
  lines w0.2: -21.25,-0.223 -17.4,-2.523 -15.65,-2.523 ; -21.25,0.177 -17.4,2.477 -15.65,2.477 ; -21.25,5.977 -19.5,5.977 ; 12.6,-3.27 23.8,0.13 ; 12.6,3.6 23.8,0.2 ; 16.5,-3.435 23.8,0.165 16.5,3.765
  text "Fabrication Notes" at 5.975,26.215 h1.7
  text "11x castellated half-holes/stamp holes" at -10.622,14.901 h1.7
  text "no breakout tabs/ / rat's teeth/mouse bites  / in this region - make  / sure board edge is clean" at -37.397,3.977 h1.7
  text "plated slots x4" at 24.527,-0.307 h1.7
  text "non-plated slots x2" at -32.299,-0.431 h1.7
  text "12x castellated half-holes/stamp holes" at -10.659,-15.607 h1.7
Alignment:
  circle w0.01: c15,-10 r4
  lines w0.02: -14.29,-13.02 -14.29,-12.38 -13.65,-12.38 -13.65,-13.02 -14.29,-13.02 ; -14.29,12.38 -14.29,13.02 -13.65,13.02 -13.65,12.38 -14.29,12.38 ; -11.75,-13.02 -11.75,-12.38 -11.11,-12.38 -11.11,-13.02 -11.75,-13.02 ; -9.21,-13.02 -9.21,-12.38 -8.57,-12.38 -8.57,-13.02 -9.21,-13.02 ; -9.21,12.38 -9.21,13.02 -8.57,13.02 -8.57,12.38 -9.21,12.38 ; -6.67,-13.02 -6.67,-12.38 -6.03,-12.38 -6.03,-13.02 -6.67,-13.02 ; -6.67,12.38 -6.67,13.02 -6.03,13.02 -6.03,12.38 -6.67,12.38 ; -4.13,-13.02 -4.13,-12.38 -3.49,-12.38 -3.49,-13.02 -4.13,-13.02 ; -4.13,12.38 -4.13,13.02 -3.49,13.02 -3.49,12.38 -4.13,12.38 ; -1.59,-13.02 -1.59,-12.38 -0.95,-12.38 -0.95,-13.02 -1.59,-13.02 ; -1.59,12.38 -1.59,13.02 -0.95,13.02 -0.95,12.38 -1.59,12.38 ; 0.95,-13.02 0.95,-12.38 1.59,-12.38 1.59,-13.02 0.95,-13.02 ; 0.95,12.38 0.95,13.02 1.59,13.02 1.59,12.38 0.95,12.38 ; 3.49,-13.02 3.49,-12.38 4.13,-12.38 4.13,-13.02 3.49,-13.02 ; 3.49,12.38 3.49,13.02 4.13,13.02 4.13,12.38 3.49,12.38 ; 6.03,-13.02 6.03,-12.38 6.67,-12.38 6.67,-13.02 6.03,-13.02 ; 6.03,12.38 6.03,13.02 6.67,13.02 6.67,12.38 6.03,12.38 ; 8.57,-13.02 8.57,-12.38 9.21,-12.38 9.21,-13.02 8.57,-13.02 ; 8.57,12.38 8.57,13.02 9.21,13.02 9.21,12.38 8.57,12.38 ; 11.11,-13.02 11.11,-12.38 11.75,-12.38 11.75,-13.02 11.11,-13.02 ; 11.11,12.38 11.11,13.02 11.75,13.02 11.75,12.38 11.11,12.38 ; 13.65,-13.02 13.65,-12.38 14.29,-12.38 14.29,-13.02 13.65,-13.02 ; 13.65,12.38 13.65,13.02 14.29,13.02 14.29,12.38 13.65,12.38
Board Outline:
  lines w0.13: -19,-2.5 -19,2.5 ; -18.2,-3.3 -14.1,-3.3 ; -18.2,3.3 -14.1,3.3 ; -17.5,-10 -17.5,-6.97 ; -17.5,6.97 -17.5,10 ; -16.5,-6 -14.1,-6 ; -16.5,6 -14.1,6 ; -15,-12.5 15,-12.5 ; -15,12.5 -12.75,12.5 ; -13.1,-5 -13.1,-4.3 ; -13.1,5 -13.1,4.3 ; -12.5,12 -12.5,12.25 ; -10.5,12 -10.5,12.25 ; -10.25,12.5 15,12.5 ; 17.5,-10 17.5,5.494 17.5,10.003
  lines w0.2: -19,-2.5 ccw(c-18.2,-2.5) -18.2,-3.3 ; -19,2.5 cw(c-18.2,2.5) -18.2,3.3 ; -17.5,-10 ccw(c-15,-10) -15,-12.5 ; -17.5,-7 cw(c-16.5,-7) -16.5,-6 ; -17.5,7 ccw(c-16.5,7) -16.5,6 ; -17.5,10 cw(c-15,10) -15,12.5 ; -14.1,-6 ccw(c-14.1,-5) -13.1,-5 ; -14.1,-3.3 cw(c-14.1,-4.3) -13.1,-4.3 ; -14.1,6 cw(c-14.1,5) -13.1,5 ; -14.098,3.3 ccw(c-14.098,4.3) -13.098,4.3 ; -12.75,12.5 cw(c-12.75,12.25) -12.5,12.25 ; -12.5,12 ccw(c-11.5,12) -10.5,12 ; -10.5,12.25 cw(c-10.25,12.25) -10.25,12.5 ; 15,-12.5 ccw(c15,-10) 17.5,-10 ; 15,12.5 cw(c15,10) 17.5,10
  text "Board Outline" at 5.975,24.815 h1.7
Top Assy:
  text "Top Assy" at -16.049,23.425 h1.7
Bottom Assy:
  text "Bottom Assy" at -16.05,22.025 h1.7
Drill Drawing:
  text "Drill Drawing" at -7.45,19.125 h1.7
Component Keepout Dwg:
  lines w0.01: -17.5,-7 cw(c-16.5,-7) -16.5,-6 -14.1,-6 ccw(c-14.1,-5) -13.1,-5 -13.1,-4.3 ccw(c-14.1,-4.3) -14.1,-3.3 -18.2,-3.3 cw(c-18.2,-2.5) -19,-2.5 -19,2.5 cw(c-18.2,2.5) -18.2,3.3 -14.1,3.3 ccw(c-14.1,4.3) -13.1,4.3 -13.1,5 ccw(c-14.1,5) -14.1,6 -16.5,6 cw(c-16.5,7) -17.5,7
  lines w0.025: -17.5,-7.018 -17.5,-10 ccw(c-15,-10) -15,-12.5 -12.729,-12.5 15,-12.5 ccw(c15,-10) 17.5,-10 17.5,-6.878 ccw(c15,-10) 11.127,-11 ; -17.5,7.003 -17.5,10 cw(c-15,10) -15,12.5 -12.75,12.5 cw(c-12.75,12.25) -12.5,12.25 -12.5,12 ccw(c-11.5,12) -11.5,11 -11.127,11 cw(c-15,10) -11.999,7.355 ; -12,-7.355 -12,7.355 ; -12,-7.355 cw(c-15,-10) -11.127,-11 11.126,-11 ; -10.5,12 cw(c-11.5,12) -11.046,11.109 -11.05,11 11.127,11 ccw(c15,10) 17.5,6.878 17.5,10 ccw(c15,10) 15,12.5 -10.25,12.5 ccw(c-10.25,12.25) -10.5,12.25 -10.5,12 ; -11,11.134 -11,11.134
  text "Component Keepout" at 5.976,20.503 h1.7
Routing Keepout Dwg:
  lines w0.01: -18.6,-2.468 ccw(c-18.2,-2.468) -18.2,-2.868 -14.25,-2.868 ; -18.6,-2.466 -18.6,2.477 ; -18.6,2.474 cw(c-18.2,2.474) -18.2,2.874 ; -18.198,2.874 -14.25,2.874 ; -17.5,-8.342 -17.5,-6.974 ; -17.5,-7 cw(c-16.5,-7) -16.5,-6 -14.1,-6 ccw(c-14.1,-5) -13.1,-5 -13.1,-4.3 ccw(c-14.1,-4.3) -14.1,-3.3 -18.2,-3.3 cw(c-18.2,-2.5) -19,-2.5 -19,2.5 cw(c-18.2,2.5) -18.2,3.3 -14.1,3.3 ccw(c-14.1,4.3) -13.1,4.3 -13.1,5 ccw(c-14.1,5) -14.1,6 -16.5,6 cw(c-16.5,7) -17.5,7 ; -17.5,6.974 -17.5,8.342 ; -14.3,-2.868 -14.3,2.874 ; 17.5,-10 17.5,8.342
  lines w0.025: -17.5,-8.342 -17.5,-10 ccw(c-15,-10) -15,-12.5 -13.342,-12.5 -12.729,-12.5 13.341,-12.5 15,-12.5 ccw(c15,-10) 17.5,-10 ; -12.75,12.5 cw(c-12.75,12.25) -12.5,12.25 -12.5,12 ccw(c-11.5,12) -11.656,11.012 ; -12.729,12.5 -13.342,12.5 ; -12.172,11 ccw(c-15,10) -13.342,12.5 ; -11.5,11 ccw(c-11.5,12) -10.5,12 -10.5,12.25 cw(c-10.25,12.25) -10.25,12.5 13.342,12.5 15,12.5 cw(c15,10) 17.5,10 17.5,8.342 ; -13.342,12.5 cw(c-15,10) -17.5,8.342 -17.5,10 cw(c-15,10) -15,12.5 -13.342,12.5
  text "Routing Keepout" at 6.05,19.125 h1.7

## Text inside footprints (layer, text, board x,y; h text height)
EC1: Mechanical 9 "Jacdac / cable connector  / body" at -23.158,-4.845 h1.7 r90
MH2: Top Overlay "-" at 13.643,8.123 h3.5 r135; Bottom Overlay "-" at 13.643,8.123 h3.5 r135
MH3: Top Overlay "+" at -12.95,-8.67 h2.8 r315; Bottom Overlay "+" at -12.95,-8.67 h2.8 r315
MH4: Top Overlay "-" at 13.123,-8.643 h3.5 r45; Bottom Overlay "-" at 13.123,-8.643 h3.5 r45